# Altium PCB ApolloEcho_Dev_Kit.PcbDoc (continued)
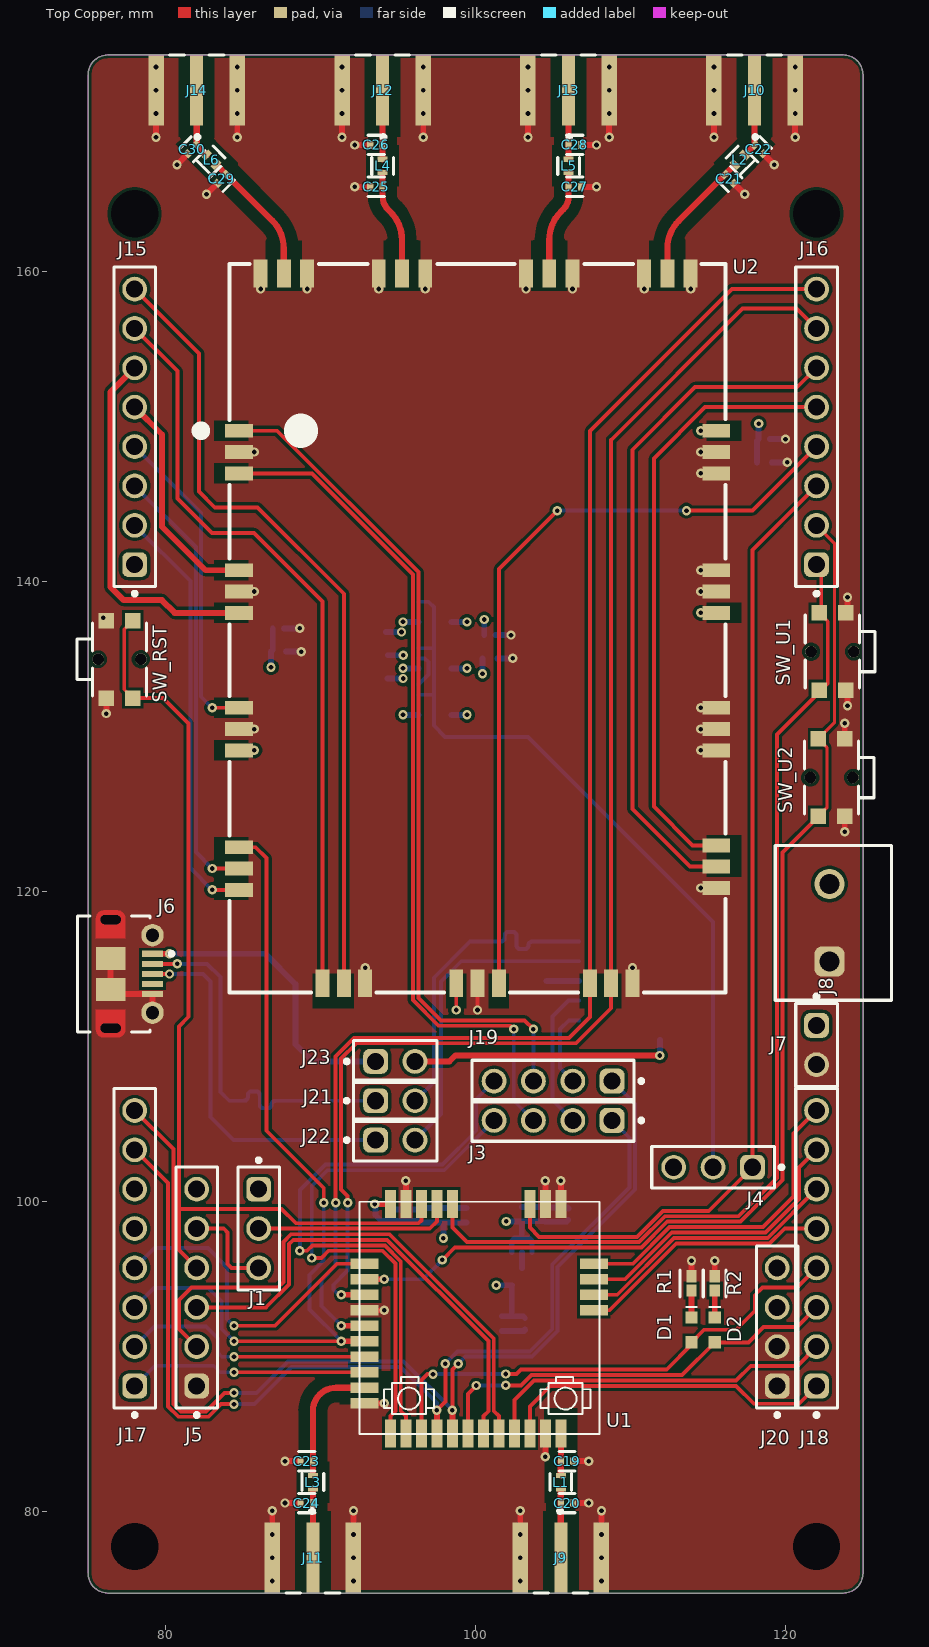
[diagram p0: Top Copper view]
## Footprints (in the part's own frame and the unit in brackets; to place one, negate y for a bottom-side part, rotate by r counter-clockwise, add the part's x,y. Pads: shape width x height; smd on the part's side, far side on the other; paste and mask are expansions set on the pad) (continued)
  silkscreen extent -0.84,-0.74 0.84,0.74, body extent -0.5,-0.25 0.5,0.25, height 0.55
FP-EMPCB_SMAFSTJ_B_HT-MFG [mm]
  rect 0.85x4.56 smd paste+0 mask+0: 1(0,-7.03)
  rect 1x4.56 smd paste+0 mask+0: 2(-2.62,-7.03) 3(2.62,-7.03)
  rect 1x4.56 smd far side paste+0 mask+0: 4(-2.62,-7.03) 5(2.62,-7.03)
  silkscreen extent -1.75,-10.17 1.75,-4.75, body extent -3.32,-9.41 3.32,5.35, height 0.25
FP-GJM155-0_05-MFG [mm]
  rect 0.4x0.5 smd paste+0 mask+0: 1(-0.4,0) 2(0.4,0)
  silkscreen extent -0.53,-0.63 0.53,0.63, body extent -0.7,-0.38 0.7,0.38, height 0.25
FP-LQW15AN_00-W0_6-0_1-MFG [mm]
  rect 0.35x0.65 smd paste+0 mask+0: 1(-0.425,0) 2(0.425,0)
  silkscreen extent -0.55,-0.7 0.55,0.7, body extent -0.7,-0.45 0.7,0.45, height 0.25
FP-RMCF0402-IPC_A [mm]
  rect 0.781x0.672 smd paste+0 mask+0: 1(-0.466,0) 2(0.466,0)
  silkscreen extent -0.86,-0.74 0.86,0.74, body extent -1.06,-0.54 1.06,0.54, height 0.25
RAK11720 [mm]
  rect 0.7x1.8 smd: 1(13.5,14.945) 2(12.5,14.945) 3(11.5,14.945) 4(10.5,14.945) 5(9.5,14.945) 6(8.5,14.945) 7(7.5,14.945) 8(6.5,14.945) 9(5.5,14.945) 10(4.5,14.945) 11(3.5,14.945) 12(2.5,14.945) 17(2.5,0.145) 18(3.5,0.145) 19(4.5,0.145) 20(9.5,0.145) 21(10.5,0.145) 22(11.5,0.145) 23(12.5,0.145) 24(13.5,0.145)
  rect 1.8x0.7 smd: 13(0.365,7) 14(0.365,6) 15(0.365,5) 16(0.365,4) 25(15.165,4) 26(15.165,5) 27(15.165,6) 28(15.165,7) 29(15.165,8) 30(15.165,9) 31(15.165,10) 32(15.165,11) 33(15.165,12) 34(15.165,13)
  silkscreen extent 0,0 15.5,15, body extent 0,0 15.5,15, height 3.5
SOT323-5L_STM [mm]
  rect 0.777x0.35 smd paste+0 mask+0: 1(-1.062,0.65) 2(-1.062,0) 3(-1.062,-0.65) 4(1.062,-0.65) 5(1.062,0.65)
  silkscreen extent -0.8,-1.22 0.8,1.22, body extent -1.45,-1.09 1.45,1.09, height 1.09
USB-MICRO-B_V [mm] "USB, MICRO B, Body 7.491x4.695 mm, Pitch 0.65 mm"
  rect 0.4x1.35 smd: 1(-1.3,1.35) 2(-0.65,1.35) 3(0,1.35) 4(0.65,1.35) 5(1.3,1.35)
  round 1.45 hole 0.85: 6(-2.5,1.35) 7(2.5,1.35)
  rrect50% 0x0 hole 0.6 slot 1.3 at 90 deg: 8(-3.5,-1.35) 11(3.5,-1.35)
  rect 1.5x1.9 smd: 9(-1,-1.35) 10(1,-1.35)
  Top Copper circle w0.5: c-3.6,-1.8 r0.25
  Top Copper circle w0.5: c-3.6,-0.9 r0.25
  Top Copper circle w0.5: c3.6,-1.8 r0.25
  Top Copper circle w0.5: c3.6,-0.9 r0.25
  Top Copper region: -3.6,-1.8 -3.6,-0.9 -4.1,-0.9 -4.1,-1.8
  Top Copper region: 3.6,-0.9 3.6,-1.8 4.1,-1.8 4.1,-0.9
  Top Copper region: 2.3,-0.4 2.3,-2.3 3.6,-2.3 3.6,-0.4
  Top Copper region: -2.3,-2.3 -2.3,-0.4 -3.6,-0.4 -3.6,-2.3
  silkscreen extent -3.75,-3.5 3.75,2.7, body extent -4.1,-3.9 4.1,1.5, height 2.67
WL-SMCW_0603_150060xx75000 [mm] "SMD Mono-color Chip LED, body 1.60 x 0.80 mm"
  rect 0.8x0.8 smd: 1(-0.8,0) 2(0.8,0)
  silkscreen extent -1.55,-0.4 -1.4,0.4, body extent -0.8,-0.4 0.8,0.4, height 0.7

## Part data
C1 C2 C5 C6 C9 C12 C14 C17 C31: library part CMP-2008-02878-3, "General Purpose Ceramic Capacitor, 0402, 100nF, 10%, X5R, 15%, 10V", Capacitance=100nF, Case Code (Imperial)=0402, Case Code (Metric)=1005, Dielectric=X5R, Insulation Resistance=100GR, Max Operating Temperature=85°C, Min Operating Temperature=-55°C, Package Quantity=1, Tolerance=10%, Voltage=10V, Case/Package=0402, Construction=Flat, Contact Plating=Tin, Depth=0.5mm, Dissipation Factor=5%, Height=0.56mm, Lead Free="Lead Free", Length=1mm, Mount="Surface Mount", Packaging="Tape and Reel", Radiation Hardening=No, REACH SVHC="No SVHC", RoHS Compliant=Yes, Series=-, Termination=SMD/SMT, Thickness=0.022inch, Voltage Rating=10V, Voltage Rating (DC)=10V, Width=0.02inch
C3 C4 C7 C8 C10 C13 C15 C18: library part CMP-14477-000104-2, "None", Capacitance=1uF, Case Code (Imperial)=0402, Case Code (Metric)=1005, Dielectric=X5R, Max Operating Temperature=85°C, Min Operating Temperature=-55°C, Package Quantity=1, Tolerance=10%, Voltage Rating=16V, Case/Package=0402, Construction=Flat, Depth=0.5mm, Halogen Free="Halogen Free", Height=0.5mm, Length=1mm, Mount="Surface Mount", Number of Pins=2, Packaging="Tape and Reel", Radiation Hardening=No, RoHS Compliant=Yes, Series=M, Termination=SMD/SMT, Thickness=0.022inch, Voltage Rating (DC)=16V, Width=0.02inch
C11 C16: library part CMP-08246-002709-1, "Multilayer Ceramic Capacitors 2.2μF ±10% 10V X5R SMD 0402", Capacitance=2.2uF, Case Code (Imperial)=0402, Case Code (Metric)=1005, Dielectric=X5R, Dielectric Material=Ceramic, Max Operating Temperature=85°C, Min Operating Temperature=-55°C, Package Quantity=1, Tolerance=10%, Voltage=10V, Case/Package=0402, Construction=Flat, Depth=0.5mm, Height=0.5mm, Lead Free="Lead Free", Length=1mm, Mount="Surface Mount", Number of Pins=2, Packaging="Tape and Reel", Radiation Hardening=No, REACH SVHC="No SVHC", Resistor Type=Ceramic, RoHS Compliant=Yes, Series=C, Termination=SMD/SMT, Thickness=0.022inch, Voltage Rating=10V, Voltage Rating (DC)=10V, Weight=2.3E-05oz, Width=0.02inch
C19 C20 C21 C22 C23 C24 C25 C26 C27 C28 C29 C30: library part CMP-2008-03860-2, "Multi-Layer Ceramic Capacitor 5pF C0G  ±0.25pF 0402 Paper T/R", Capacitance=5pF, Case Code (Imperial)=0402, Case Code (Metric)=1005, Dielectric=C0G, Max Operating Temperature=125°C, Min Operating Temperature=-55°C, Package Quantity=1, Voltage Rating=50V, Case/Package=0402, Depth=0.5mm, Height=0.5mm, Lead Free="Lead Free", Length=1mm, Mount="Surface Mount", Packaging="Tape and Reel", Radiation Hardening=No, Termination=SMD/SMT, Thickness=0.022inch, Voltage Rating (DC)=50V, Width=0.02inch
D1: library part CMP-1426-00006-7, "WURTH ELEKTRONIK - 150060VS75000 - LED, Green, SMD, 0603, 30 mA, 2 V, 570 nm", Case Code (Imperial)=0603, Case Code (Metric)=1608, Color=Green, Forward Current=100mA, Forward Voltage=2V, Max Junction Temperature (Tj)=95°C, Max Operating Temperature=85°C, Max Reverse Voltage (DC)=5V, Min Operating Temperature=-40°C, Power Dissipation=72mW, Test Current=20mA, Case/Package=0603, Dominant Wavelength=570nm, Height=700µm, Length=1.6mm, Lens Style="Clear, Rectangular", Luminous Intensity=40mcd, Mount="Surface Mount", Number of Pins=2, Packaging="Tape and Reel", Peak Wavelength=572nm, REACH SVHC=Unknown, Reverse Voltage=5V, RoHS=Compliant, Viewing Angle=140°, Wavelength=570nm, Width=800µm
D2: library part CMP-1426-00001-4, "LED Low-Power Uni-Color Red 630nm 2V 2-Pin Chip 0603(1608Metric) T/R", Case Code (Imperial)=0603, Case Code (Metric)=1608, Color=Red, Forward Current=100mA, Forward Voltage=2V, Max Junction Temperature (Tj)=95°C, Max Operating Temperature=85°C, Max Reverse Voltage (DC)=5V, Min Operating Temperature=-40°C, Power Dissipation=72mW, Test Current=20mA, Case/Package=0603, Dominant Wavelength=625nm, Height=700µm, Length=1.6mm, Lens Style="Clear, Rectangular", Luminous Intensity=250mcd, Mount="Surface Mount", Packaging="Tape and Reel", Peak Wavelength=630nm, REACH SVHC=Unknown, Reverse Voltage=5V, RoHS=Compliant, Viewing Angle=140°, Wavelength=625nm, Width=800µm
J1 J4: library part CMP-1502-01062-3, Color=Black, Contact Resistance=20mΩ, Current Rating=3A, Max Operating Temperature=105°C, Min Operating Temperature=-40°C, Operating Supply Voltage=250V, Connector Type="Male Pin", Contact Material=Copper, Contact Mating Length=5.9944mm, Contact Plating=Gold, Gender=Male, Height=8.94mm, Lead Free="Lead Free", Lead Pitch=2.54mm, Mount="Through Hole", NexarPartId=32855521, Number of Contacts=3, Number of Pins=3, Number of Positions=3, Number of Rows=1, Orientation=Vertical, Packaging=Bulk, Pitch=2.54mm, REACH SVHC=Unknown, RoHS=Compliant, Termination=Solder, Voltage Rating=250V
J3 J19 J20: library part CMP-1502-01064-3, Color=Black, Contact Resistance=20mΩ, Current Rating=3A, Max Operating Temperature=105°C, Min Operating Temperature=-40°C, Operating Supply Voltage=250V, Connector Type="Male Pin", Contact Material=Copper, Contact Mating Length=5.9944mm, Contact Plating=Gold, Gender=Male, Height=8.89mm, Lead Free="Lead Free", Lead Pitch=2.54mm, Mount="Through Hole", NexarPartId=32855522, Number of Contacts=4, Number of Pins=4, Number of Positions=4, Number of Rows=1, Orientation=Vertical, Packaging=Bulk, Pitch=2.54mm, REACH SVHC=Unknown, RoHS=Compliant, Termination=Solder, Voltage Rating=250V
J5: library part CMP-1502-01070-3, Color=Black, Contact Resistance=20mΩ, Current Rating=3A, Max Operating Temperature=105°C, Min Operating Temperature=-40°C, Operating Supply Voltage=250V, Connector Type="Male Pin", Contact Gender=Male, Contact Material=Copper, Contact Mating Length=5.9944mm, Contact Plating=Gold, Gender=Male, Height=8.89mm, Housing Material=PBT, Lead Free="Lead Free", Lead Pitch=2.54mm, Mount="Through Hole", NexarPartId=20084590, Number of Contacts=6, Number of Pins=6, Number of Positions=6, Number of Rows=1, Orientation=Vertical, Packaging=Bulk, Pitch=2.54mm, REACH SVHC=Unknown, RoHS=Compliant, Termination="Through Hole", Voltage Rating=250V
J6: library part CMP-2000-05827-1, "Micro-USB B Receptacle, Right Angle, Bottom Mount, Surface Mount, with Solder Tabs, -30 to 85 degC, 5-Pin USB, RoHS, Tape and Reel", Manufacturer=Molex, Package Description="5-Leads USB, Micro B, Body 7.5 x 5 mm, Pitch 0.65 mm", Package Reference=MICRO-B, Package Version="Rev. F, 12/2012", Standard Package=1, Voltage - Max=30V, 3D Model=105017-0001.stp, Catalog Drawings=1050170001, Category=Connectors,Interconnects, Circuits=5, Connector Type=USB-microB, Datasheet URL=http://www.molex.com/elqNow/elqRedir.htm?ref=http://www.molex.com/webdocs/datasheets/pdf/en-us/1050170001_IO_CONNECTORS.pdf, Datasheet Version=03/2016, Family=USB,DVI,HDMIConnectors, Featured Product=Micro-USBConnectorsUSBConnectors, Features=Shielded,SolderRetention, Gender=Receptacle, Ingress Protection=-, Manufacturer URL=http://www.molex.com/, Mating Products=WM17145-ND-CABLEMICROUSBBTOSTDA1.0MWM17147-ND-CABLEMICROUSBBTOSTDA2.0MWM17146-ND-CABLEMICROUSBBTOSTDA1.5M, Mounting Technology=SurfaceMount, Mounting Type=BoardCutout,SurfaceMount,RightAngle, Number of Contacts=5, Online Catalog=Molex-MicroUSB, Other Names=WM1399DKR, Package URL=http://www.molex.com/pdm_docs/sd/1050170001_sd.pdf, Packaging=Digi-Reel®, PCN Assembly/Origin=ResinSupplier21/Oct/2015, RoHS Information=1050170001CertofCompliance, Series=-, Specifications=-
J7: library part CMP-1502-03324-2, Current Rating=16A, Max Operating Temperature=120°C, Min Operating Temperature=-30°C, Voltage Rating=300V, Contact Material="Nickel, Tin", Height=11.6mm, Lead Pitch=5mm, NexarPartId=78871135, Number of Contacts=2, Number of Pins=2, Number of Rows=1, Packaging=Box, RoHS=Non-Compliant
J8 J21 J22 J23: library part CMP-1712-00002-6, Color=Black, Contact Resistance=20mΩ, Current Rating=3A, Max Operating Temperature=125°C, Min Operating Temperature=-40°C, Operating Supply Voltage=250V, Connector Type="Male Pin", Contact Gender=Male, Contact Material=Copper, Contact Mating Length=5.9944mm, Contact Plating=Gold, Gender=Male, Height=8.94mm, Housing Material=PBT, Lead Free="Lead Free", Lead Pitch=2.54mm, Mount="Through Hole", NexarPartId=20081794, Number of Contacts=2, Number of Pins=2, Number of Positions=2, Number of Rows=1, Orientation=Vertical, Packaging=Bulk, Pitch=2.54mm, REACH SVHC="No SVHC", RoHS=Compliant, Termination="Through Hole", Voltage Rating=250V
J9 J10 J11 J12 J13 J14: library part CMP-111093-000001-1, "CONN SMA JACK STR 50OHM EDGE MNT", Frequency=12.4GHz, Manufacturer="Taoglas Limited", Package=0, Temperature="-40°C to +85°C", Temperature Range High=+85°C, Temperature Range Low=-40°C, Voltage Rating=335V, Automotive=No, Category=Conn, ComponentLink2Description=Datasheet, ComponentLink2URL=https://cdn.taoglas.com/datasheets/EMPCB.SMAFSTJ.B.HT.pdf, Conn Orientation=Horizontal, Contact Material=Gold, Device Class L1=Connectors, Device Class L2="RF / Coaxial Connectors", Device Class L3=unset, Digikey Description="CONN SMA JACK STR 50OHM EDGE MNT", Impedance=50Ω, Is Female=yes, Lead Free=Yes, Manufacturer Part Number=EMPCB.SMAFSTJ.B.HT, Mouser Description="RF Connectors / Coaxial Connectors SMA Straight Edge Mount PCB Jack-Gold", Number of Contacts=1, Octopart=https://octopart.com/empcb.smafstj.b.ht-taoglas-24204431, Pitch=2.62mm, RoHS=TRUE
J15 J16 J17 J18: library part CMP-1502-01076-3, Color=Black, Contact Resistance=20mΩ, Current Rating=3A, Max Operating Temperature=105°C, Min Operating Temperature=-40°C, Operating Supply Voltage=250V, Connector Type="Male Pin", Contact Material=Copper, Contact Mating Length=5.9944mm, Contact Plating=Gold, Gender=Male, Height=8.54mm, Lead Pitch=2.54mm, Mount="Through Hole", NexarPartId=32855533, Number of Contacts=8, Number of Pins=8, Number of Positions=8, Number of Rows=1, Orientation=Vertical, Packaging=Bulk, Pitch=2.54mm, REACH SVHC=Unknown, RoHS=Compliant, Termination=Solder, Voltage Rating=250V
L1 L2 L3 L4 L5 L6: library part CMP-06042-011289-1, "Wire Wound RF Inductor 2.9nH ±0.5nH 750mA 0.07Ω 0402 (1005)", Case Code (Imperial)=0402, Case Code (Metric)=1005, Current Rating=750mA, DC Resistance (DCR)=70mR, Inductance=2.9nH, Max Operating Temperature=125°C, Min Operating Temperature=-55°C, Package Quantity=1, Resistor Type=Wirewound, Self Resonant Frequency=15GHz, Test Frequency=100MHz, Case/Package=0402, Core Material=Non-Magnetic, DC Current=750mA, Depth=0.7mm, Height=0.5mm, Height - Seated (Max)=0.024inch, Length=1mm, Max DC Current=750mA, Military Standard=Not, Mount="Surface Mount", Packaging="Tape and Reel", Q Factor=20, Radiation Hardening=No, Shielding=Unshielded, Termination=SMD/SMT, Weight=2.8E-05oz, Width=0.02inch
R1 R2: library part CMP-26527-000026-1, "1kΩ ±1% 0.063W 0402 Thick Film Chip Resistor AEC-Q200 compliant", Case Code (Imperial)=0402, Case Code (Metric)=1005, Max Operating Temperature=155°C, Max Power Dissipation=63mW, Min Operating Temperature=-55°C, Resistance=1kR, Resistor Type="Thick Film", Temperature Coefficient=100ppm/°C, Tolerance=1%, Case/Package=0402, Construction=Rectangular, Contact Plating=Tin, Depth=0.5mm, Features="Automotive AEC-Q200", Height=0.016inch, Lead Free="Lead Free", Length=1mm, Military Standard=Not, Mount="Surface Mount", Number of Terminations=2, Packaging="Tape and Reel", Power Rating=63mW, Radiation Hardening=No, RoHS Compliant=Yes, Series=RMCF, Size Code=0402, Width=0.02inch
SW_RST SW_U1 SW_U2: library part CMP-1464-00001-2, Contact Current Rating=50mA, Contact Resistance=100mΩ, Insulation Resistance=100MΩ, Max Operating Temperature=85°C, Min Operating Temperature=-40°C, Operating Force=220N, Voltage Rating=12V, Contact Plating=Silver, Current Rating=50mA, Height=1.65mm, NexarPartId=22866045, Packaging="Tape and Reel", RoHS=Compliant, Width=4.7mm
U1: "RAK11720 Ambiq Apollo3 Blue SX1262 LoRa Bluetooth Module for LoRaWAN", Package=Package, Availability="Not in stock", Check_prices=https://www.snapeda.com/parts/RAK3172/Shenzhen+RAKwireless+Technology+Co.%252CLtd./view-part/?ref=eda, MF="Shenzhen RAKwireless Technology Co.,Ltd.", MP=RAK3172, Price=None, SnapEDA_Link=https://www.snapeda.com/parts/RAK3172/Shenzhen+RAKwireless+Technology+Co.%252CLtd./view-part/?ref=snap
U2: library part EM2050, "Echostar Mobile IOT SAT Module - Basic version", Manufacturer="Echostar Mobile Ltd", Package="Module SMD 47x32mm", Manufacturer P/N=EM2050, MSL=3, Release=1.0, Release date=01/08/2022, RoHS Compliant=Yes, VCCPA=3.3V, VCCRF=3.3V
U3 U4 U5 U6: "No Description Available", Mfr_Name=STMicroelectronics, Copyright="Copyright (C) 2023 Ultra Librarian. All rights reserved.", Manufacturer_Part_Number=STLQ020C33R, RefDes=RefDes, Type=DEV
U7: "USB to Serial CH340 IC"

## Free pads (board coordinates)
  round 0 hole 3.05: 3(122,77.75) 3(122,163.75) 4(78,77.75) 4(78,163.75)

## Via types
v1: diameter 0.6, hole 0.3, Top Copper to Bottom Copper, tented both sides, 158 vias

## Nets (pads, with @x,y where several pads share a name; then routed paths per layer and width w, separated by ;. In a path a pad name is that pad's centre, name@x,y a point inside that pad or via, vN(x,y) a via of type N, cw(c..) or ccw(c..) an arc to the next point about the centre after c; other vN are vias at no path point)
BTN_USER_1: J16.1 SW_U1.A1 SW_U1.A2 U1.20 | length 65.8
  Top Copper w0.203: J16.1 122.3,140.81 SW_U1.A2@122.3,138 ; SW_U1.A2 122.722,137.45 122.722,133.422 SW_U1.A1@122.3,133
  Top Copper w0.254: U1.20 98.5,98.336 99.441,97.394 110.552,97.394 112.221,99.063 116.961,99.063 119.443,101.546 119.443,130.143 SW_U1.A1@122.3,133
BTN_USER_2: J16.2 SW_U2.A1 SW_U2.A2 U1.26 | length 74.2
  Top Copper w0.203: J16.2 123.149,142.501 123.149,130.903 SW_U2.A2 122.668,129.322 122.668,125.422 SW_U2.A1
  Top Copper w0.254: v1(97.854,96.246) 98.652,97.044 110.697,97.044 112.366,98.713 117.106,98.713 119.794,101.4 119.794,122.548 SW_U2.A1
  Top Copper w0.381: U1.26 v1(94.104,95)
  Bottom Copper w0.254: v1(94.104,95) 96.608,95 v1(97.854,96.246)
EM_2G_CE: J15.5 U2.P4 | length 14.6
  Top Copper w0.381: J15.5 79.765,149.505 79.765,143.555 82.57,140.75 U2.P4
EM_CTS: J16.8 U1.29 U2.P19 | length 93.5
  Top Copper w0.254: v1(90.97,99.928) 90.97,109.382 92.166,110.578 106.031,110.578 107.375,111.922 U2.P19 107.375,149.731 116.534,158.89 J16.8
  Top Copper w0.381: v1(91.335,92) U1.29
  Bottom Copper w0.254: v1(90.97,99.928) 90.97,95.879 90.052,94.961 90.052,93.283 v1(91.335,92)
EM_LNA_GPS_ON: J15.6 U2.P6 | length 23.8
  Top Copper w0.381: J15.6 76.431,152.241 76.431,139.681 77.293,138.819 79.758,138.819 80.576,138 U2.P6
EM_NRST: J17.3 U1.30 U2.P10 | length 53.8
  Top Copper w0.254: v1(84.406,91) v1(91.335,91) ; U2.P10 85.802,122.875 86.506,122.171 86.506,104.583 90.199,100.891 v1(90.199,99.928)
  Top Copper w0.381: v1(91.335,91) U1.30
  Bottom Copper w0.254: J17.3 79.241,94.431 82.746,94.431 83.62,93.558 83.62,91.786 v1(84.406,91) ; v1(90.199,99.928) 90.199,96.198 89.281,95.281 89.281,93.054 v1(91.335,91)
EM_P12: J15.2 U2.P12 | length 27.3
  Top Copper w0.254: v1(83,120.125) U2.P12
  Bottom Copper w0.254: J15.2 81.596,140.054 81.596,121.529 v1(83,120.125)
EM_P13: J15.7 U2.P13 | length 48.9
  Top Copper w0.254: J15.7 80.754,153.596 80.754,145.387 82.982,143.158 85.693,143.158 90.125,138.726 U2.P13
EM_P14: J15.8 U2.P14 | length 52
  Top Copper w0.254: J15.8 82.148,154.742 82.148,145.818 83.169,144.797 85.935,144.797 91.5,139.232 U2.P14
EM_P18: J16.4 U2.P18 | length 50.5
  Top Copper w0.254: U2.P18 101.5,140.823 v1(105.27,144.593) ; v1(113.605,144.593) 117.863,144.593 J16.4
  Bottom Copper w0.254: v1(105.27,144.593) v1(113.605,144.593)
EM_PH3: J15.3 U2.P11 | length 28.5
  Top Copper w0.254: v1(83,121.5) U2.P11
  Bottom Copper w0.254: J15.3 81.945,142.245 81.945,122.555 v1(83,121.5)
EM_PWR_EN: J4.1 J16.3 U1.19 | length 63.7
  Top Copper w0.254: U1.19 103.5,98.336 104.097,97.738 110.41,97.738 112.078,99.407 115.045,99.407 J4.1 117.863,142.053 J16.3
EM_RF_GPS: C27.1 L5.1 U2.P38 | length 7.8
  Top Copper w0.4: U2.P38 104.75,162.073 cw(c107.29,162.073) 105.494,163.869 105.655,164.03 ccw(c104.822,164.863) 106,164.863 C27.1 ; C27.1 L5.1 C27.1
EM_RF_LORA_SBAND_RX: C25.1 L4.1 U2.P41 | length 6.9
  Top Copper w0.4: L4.1 C25.1 94,164.863 ccw(c95.178,164.863) 94.345,164.03 94.506,163.869 cw(c92.71,162.073) 95.25,162.073 U2.P41
EM_RF_LORA_SBAND_TX: C21.1 L2.1 U2.P35 | length 8.7
  Top Copper w0.4: U2.P35 112.375,161.513 cw(c114.915,161.513) 113.119,163.309 C21.1 L2.1
EM_RF_LORA_SUBGHZ: C29.1 L6.1 U2.P44 | length 8.7
  Top Copper w0.4: L6.1 C29.1 86.881,163.309 cw(c85.085,161.513) 87.625,161.513 U2.P44
EM_RTS: J16.7 U1.27 U2.P20 | length 90.3
  Top Copper w0.254: v1(91.741,99.928) 91.741,100.357 91.321,100.777 91.321,109.237 92.311,110.227 106.468,110.227 108.75,112.509 U2.P20 108.75,149.162 117.224,157.636 120.714,157.636 J16.7
  Top Copper w0.381: v1(91.335,94) U1.27
  Bottom Copper w0.254: v1(91.335,94) 91.144,94 90.823,94.32 90.823,94.642 91.741,95.56 v1(91.741,99.928)
EM_SCL: J16.5 U2.P24 | length 39.4
  Top Copper w0.254: U2.P24 114.001,123 111.5,125.501 111.5,127.698 111.5,147.955 114.815,151.27 J16.5
EM_SDA: J16.6 U2.P23 | length 44.2
  Top Copper w0.254: U2.P23 113.836,121.625 110.125,125.336 110.125,132.08 110.125,148.524 114.164,152.564 120.754,152.564 J16.6
EM_SW_ON: J15.4 U2.P7 | length 20.7
  Top Copper w0.254: v1(83,131.875) U2.P7
  Bottom Copper w0.254: J15.4 82.29,144.44 82.29,132.585 v1(83,131.875)
EM_UART_RXD: J19.3 U2.P1 | length 54.4
  Top Copper w0.254: U2.P1 87.186,149.75 96.311,140.625 96.311,113.155 97.762,111.705 103.167,111.705 v1(103.73,111.142)
  Bottom Copper w0.254: J19.3@103.729,107.788 103.729,109.291 v1(103.73,111.142)
EM_UART_TXD: J3.3 U2.P3 | length 55.1
  Top Copper w0.254: U2.P3 89.432,147 95.95,140.482 95.95,113.008 97.6,111.357 102.245,111.357 v1(102.46,111.142)
  Bottom Copper w0.254: v1(102.46,111.142) 102.46,106.517 J3.3
GND: C1.2 C2.2 C3.2 C4.2 C5.2 C6.2 C7.2 C8.2 C9.2 C10.2 C11.2 C12.2 C13.2 C14.2 C15.2 C16.2 C17.2 C18.2 C19.2 C20.2 C21.2 C22.2 C23.2 C24.2 C25.2 C26.2 C27.2 C28.2 C29.2 C30.2 C31.2 J5.1 J6.5 J6.6 J6.7 J6.8 J6.9 J6.10 J6.11 J7.1 J8.2 J9.2 J9.3 J9.4 J9.5 J10.2 J10.3 J10.4 J10.5 J11.2 J11.3 J11.4 J11.5 J12.2 J12.3 J12.4 J12.5 J13.2 J13.3 J13.4 J13.5 J14.2 J14.3 J14.4 J14.5 J20.1 J20.2 pad.3@122,77.75 pad.4@78,77.75 R1.1 R2.1 SW_RST.B1 SW_RST.B2 SW_U1.B1 SW_U1.B2 SW_U2.B1 SW_U2.B2 U1.11 U1.17 U1.18 U1.23 U1.28 U1.34 U2.P2 U2.P5 U2.P8 U2.P15 U2.P17 U2.P21 U2.P22 U2.P25 U2.P26 U2.P27 U2.P29 U2.P30 U2.P31 U2.P32 U2.P34 U2.P36 U2.P37 U2.P39 U2.P40 U2.P42 U2.P43 U2.P45 U3.2 U4.2 U5.2 U6.2 U7.1 | length 149.8
  Top Copper w0.254: v1(100.125,112.375) U2.P17
  Top Copper w0.381: v1(75.983,137.69) SW_RST.B1 ; v1(76.175,131.5) SW_RST.B2 ; J6.9 J6.10 76.75,113.4 J6.5 J6.7 ; v1(79.38,168.682) v1(79.38,171.72) ; v1(80.727,166.917) C30.2 ; v1(82.636,165.008) C29.2 ; v1(84.62,168.682) v1(84.62,171.72) ; U2.P8 v1(85.725,130.5) ; U2.P5 v1(85.725,139.375) ; U2.P2 v1(85.725,148.375) ; v1(86.125,158.9) U2.P45 ; v1(86.88,77.03) v1(86.88,80.068) ; v1(87.7,80.56) C24.2 ; v1(87.7,83.26) C23.2 ; v1(89.125,158.9) U2.P43 ; v1(91.38,168.682) v1(91.38,171.72) ; v1(92.12,77.03) v1(92.12,80.068) ; v1(92.2,165.49) C25.2 ; v1(92.2,168.19) C26.2 ; U1.34 v1(94.104,87) ; U1.28 v1(94.104,93) ; U2.P15 v1(92.875,115.1) ; v1(93.75,158.9) U2.P42 ; U1.23 v1(95.5,101.355) ; v1(96.62,168.682) v1(96.62,171.72) ; v1(96.75,158.9) U2.P40 ; v1(102.88,77.03) v1(102.88,80.068) ; v1(103.25,158.9) U2.P39 ; v1(103.38,168.682) v1(103.38,171.72) ; v1(104.5,83.555) U1.11 ; U1.18 v1(104.5,101.355) ; U1.17 v1(105.5,101.355) ; v1(106.25,158.9) U2.P37 ; C20.2 v1(107.3,80.56) ; C19.2 v1(107.3,83.26) ; C27.2 v1(107.8,165.49) ; C28.2 v1(107.8,168.19) ; v1(108.12,77.03) v1(108.12,80.068) ; v1(108.62,168.682) v1(108.62,171.72) ; U2.P21 v1(110.125,115.1) ; v1(110.875,158.9) U2.P36 ; v1(113.875,158.9) U2.P34 ; R1.1 v1(113.933,96.195) ; v1(114.525,120.25) U2.P22 ; v1(114.525,129.125) U2.P25 ; v1(114.525,130.5) U2.P26 ; v1(114.525,131.875) U2.P27 ; v1(114.525,139.375) U2.P29 ; v1(114.525,140.75) U2.P30 ; v1(114.525,147) U2.P31 ; v1(114.525,148.375) U2.P32 ; v1(115.38,168.682) v1(115.38,171.72) ; R2.1 v1(115.433,96.195) ; C21.2 v1(117.364,165.008) ; C22.2 v1(119.273,166.917) ; v1(120.62,168.682) v1(120.62,171.72) ; v1(123.818,123.872) SW_U2.B1 ; SW_U2.B2 v1(123.818,130.872) ; v1(124,132) SW_U1.B1@124,133 ; SW_U1.B2@124,138 v1(124,139)
  Bottom Copper w0.254: U5.2 96.712,135.066 96.963,134.815 96.963,134.027 96.324,133.388
  Bottom Copper w0.381: v1(79.38,168.682) v1(79.38,171.72) ; v1(84.62,168.682) v1(84.62,171.72) ; v1(86.88,77.03) v1(86.88,80.068) ; C5.2 v1(88.644,136.998) ; C7.2 v1(88.757,135.498) ; v1(91.38,168.682) v1(91.38,171.72) ; v1(92.12,77.03) v1(92.12,80.068) ; C2.2 C1.2 96.422,99.529 96.5,99.607 C4.2 C3.2 ; v1(96.62,168.682) v1(96.62,171.72) ; C17.2 v1(102.286,136.566) ; C18.2 v1(102.399,135.066) ; C13.2 103.108,91.652 103.186,91.731 C12.2 ; v1(102.88,77.03) v1(102.88,80.068) ; 102.986,95.732 U3.2 ; C11.2 102.992,99.671 104.48,99.671 C10.2 ; v1(103.38,168.682) v1(103.38,171.72) ; v1@104.486,101.355 C10.2 ; C9.2 105.93,99.621 104.543,99.621 C10.2 ; v1(108.12,77.03) v1(108.12,80.068) ; v1(108.62,168.682) v1(108.62,171.72) ; v1(115.38,168.682) v1(115.38,171.72) ; C6.2 v1(119.996,149.212) ; C8.2 v1(120.109,147.712) ; v1(120.62,168.682) v1(120.62,171.72)
  other v1: 86.88,75.53 92.12,75.53 102.88,75.53 108.12,75.53 86.88,78.53 92.12,78.53 102.88,78.53 108.12,78.53 79.38,170.22 84.62,170.22 91.38,170.22 96.62,170.22 103.38,170.22 108.62,170.22 115.38,170.22 120.62,170.22 79.38,173.22 84.62,173.22 91.38,173.22 96.62,173.22 103.38,173.22 108.62,173.22 115.38,173.22 120.62,173.22
LDO_EM_PWR_EN: J4.2 U4.3 U5.3 U6.3 | length 49.9
  Bottom Copper w0.254: U6.3 97.305,132.716 ; U5.3 97.305,135.716 ; U4.3 96.971,138.716 97.305,138.381 97.305,130.722 98.031,129.996 103.384,129.996 115.323,118.057 J4.2
LED_USER_1_G: D1.2 J18.4 U1.3 | length 32.6
  Top Copper w0.254: U1.3 96.5,88.485 96.887,88.872 v1(97.25,88.872) ; v1(101.942,88.881) 102.636,88.881 102.935,89.18 112.335,89.18 113.933,90.778 D1.2 114.745,91.741 116.813,91.741 118.012,92.94 118.012,93.965 118.506,94.459 120.729,94.459 J18.4
  Bottom Copper w0.254: v1(97.25,88.872) 101.934,88.872 v1(101.942,88.881)
LED_USER_2_R: D2.2 J18.3 U1.6 | length 27.4
  Top Copper w0.254: U1.6 99.5,87.596 v1(100.049,88.145) ; v1(101.942,88.154) 102.937,88.154 103.609,88.826 113.33,88.826 D2.2 117.595,90.929 118.581,91.915 120.725,91.915 J18.3
  Bottom Copper w0.254: v1(100.049,88.145) 100.058,88.154 v1(101.942,88.154)
NetC20_1: C20.1 J9.1 L1.2 | length 4.5
  Top Copper w0.4: J9.1 L1.2
NetC22_1: C22.1 J10.1 L2.2 | length 4.5
  Top Copper w0.4: L2.2 C22.1 J10.1
NetC24_1: C24.1 J11.1 L3.2 | length 4.5
  Top Copper w0.4: J11.1 C24.1 L3.2
NetC26_1: C26.1 J12.1 L4.2 | length 4.5
  Top Copper w0.4: L4.2 C26.1 J12.1
NetC28_1: C28.1 J13.1 L5.2 | length 4.5
  Top Copper w0.4: L5.2 C28.1 J13.1
NetC30_1: C30.1 J14.1 L6.2 | length 4.5
  Top Copper w0.4: J14.1 C30.1 L6.2
NetC31_1: C31.1 U7.4 | length 2.1
  Bottom Copper w0.381: C31.1 U7.4
NetD1_1: D1.1 R1.2 | length 1.7
  Top Copper w0.381: D1.1 R1.2
NetD2_1: D2.1 R2.2 | length 1.7
  Top Copper w0.381: D2.1 R2.2
NetJ1_2: J1.2 U1.21 | length 12.8
  Top Copper w0.254: J1.2 97.042,98.27 97.5,98.728 U1.21
RAK_BLE_RF_OUT: C23.1 L3.1 U1.33 | length 8.4
  Top Copper w0.4: L3.1 C23.1 89.5,86.5 cw(c91,86.5) 91,88 U1.33
RAK_I2C_SCL: J18.2 U1.9 | length 23.1
  Top Copper w0.254: U1.9 102.5,87.208 103.764,88.472 116.813,88.472 117.754,89.414 120.764,89.414 J18.2
RAK_I2C_SDA: J18.1 U1.10 | length 21.7
  Top Copper w0.254: U1.10 103.5,86.794 104.816,88.11 116.813,88.11 117.957,86.966 120.856,86.966 J18.1
RAK_PA2: J19.4 U1.2 | length 38.9
  Top Copper w0.254: v1(88.657,96.837) 89.123,96.837 89.47,97.183 94.145,97.183 95.17,96.158 95.17,86.491 95.5,86.162 U1.2
  Bottom Copper w0.254: v1(88.657,96.837) 88.657,100.749 90.31,102.402 97.859,102.402 100.039,104.582 100.039,106.636 J19.4
RAK_PA3: J3.4 U1.1 | length 35.2
  Top Copper w0.254: v1(89.428,96.372) 90.043,96.372 90.51,96.839 93.996,96.839 94.821,96.013 94.821,86.483 94.5,86.162 U1.1
  Bottom Copper w0.254: v1(89.428,96.372) 89.428,101.01 90.45,102.033 97.976,102.033 J3.4
RAK_PA4: J18.8 U1.16 | length 20.8
  Top Copper w0.254: U1.16 110.159,96 112.523,98.363 118.531,98.363 120.511,100.343 120.511,104.401 J18.8
RAK_PA5: J18.7 U1.15 | length 19
  Top Copper w0.254: U1.15 109.649,95 112.655,98.006 118.694,98.006 120.867,100.179 120.867,102.217 J18.7
RAK_PA6: J18.6 U1.14 | length 17.2
  Top Copper w0.254: U1.14 109.139,94 112.798,97.659 118.849,97.659 J18.6
RAK_PA7: J18.5 U1.13 | length 16.5
  Top Copper w0.254: U1.13 108.649,93 112.945,97.296 118.974,97.296 119.948,98.27 J18.5
RAK_PA10: J17.4 U1.25 | length 21
  Top Copper w0.254: v1(84.406,92) 87.053,92 91.053,96 U1.25
  Bottom Copper w0.254: J17.4 79.279,97.009 82.725,97.009 83.971,95.763 83.971,92.435 v1(84.406,92)
RAK_PB3: J17.1 U1.32 | length 15.6
  Top Copper w0.254: v1(84.406,89) U1.32
  Bottom Copper w0.254: J17.1 79.309,89.419 83.104,89.419 83.524,89 v1(84.406,89)
RAK_PB4: J17.2 U1.31 | length 16.7
  Top Copper w0.254: v1(84.406,90) U1.31
  Bottom Copper w0.254: J17.2 79.287,91.937 82.61,91.937 83.378,91.169 83.378,90.243 83.621,90 v1(84.406,90)
RAK_PB6: J3.1 J17.7 U1.4 | length 66.4
  Top Copper w0.254: J17.7 78.022,103.35 80.153,101.219 80.153,86.8 80.827,86.127 82.759,86.127 83.571,86.939 v1(84.406,86.939) ; v1(97.5,86.555) 98.048,87.103 v1(98.048,89.552)
  Top Copper w0.381: U1.4 v1(97.5,86.555)
  Bottom Copper w0.254: v1(84.406,86.939) 85.72,86.939 88.13,89.348 95.165,89.348 97.5,87.013 v1(97.5,86.555) ; v1(98.048,89.552) 98.842,90.345 103.492,90.345 104.944,91.798 104.944,95.944 109.928,100.928 109.928,104.129 J3.1
RAK_PB7: J17.8 J19.1 U1.5 | length 71.6
  Top Copper w0.254: J17.8 80.5,103.39 80.5,86.944 80.972,86.472 82.602,86.472 83.796,87.666 v1(84.406,87.666) ; v1(98.5,86.555) 98.5,89.17 v1(98.882,89.552)
  Top Copper w0.381: U1.5 v1(98.5,86.555)
  Bottom Copper w0.254: v1(84.406,87.666) 85.87,87.666 87.904,89.699 95.356,89.699 v1(98.5,86.555) ; v1(98.882,89.552) 99.331,90.002 103.634,90.002 105.288,91.655 105.288,95.802 110.272,100.785 110.272,106.325 J19.1
RAK_RESET: J5.4 SW_RST.A1 SW_RST.A2 U1.22 | length 62.8
  Top Copper w0.203: SW_RST.A2 77.325,133.05 77.325,136.95 SW_RST.A1
  Top Copper w0.254: SW_RST.A2 79.837,132.5 81.471,130.866 81.471,111.937 80.854,111.321 80.854,99.54 ; J5.4 80.854,96.876 80.854,99.54 ; U1.22 96.5,98.791 96.322,98.614 88.411,98.614 87.485,99.54 80.854,99.54
RAK_RF_OUT: C19.1 L1.1 U1.12 | length 2.7
  Top Copper w0.4: L1.1 C19.1 U1.12
RAK_SWD_SWDCK: J5.2 U1.8 | length 36.1
  Top Copper w0.254: J5.2 80.869,91.781 80.869,93.664 81.665,94.46 87.233,94.46 87.592,94.819 87.592,97.41 88.085,97.902 94.441,97.902 101.17,91.174 101.17,86.491 101.5,86.162 U1.8
RAK_SWD_SWDIO: J5.3 U1.7 | length 30.9
  Top Copper w0.254: J5.3 86.473,93.19 87.953,94.67 87.953,97.261 88.234,97.542 94.292,97.542 100.821,91.013 100.821,86.483 100.5,86.162 U1.7
RAK_SWD_SWO: J1.3 J5.5 | length 6.2
  Top Copper w0.254: J5.5 83.75,98.27 84,98.02 84,95.98 84.25,95.73 J1.3
USB_D+: J6.3 J22.1 | length 24
  Top Copper w0.254: J6.3 v1(80.25,114.7)
  Bottom Copper w0.254: v1(80.25,114.7) 82.401,114.7 82.881,114.22 82.881,105.478 84.381,103.977 J22.1
USB_D-: J6.2 J21.1 | length 24
  Top Copper w0.254: J6.2 v1(80.75,115.35)
  Bottom Copper w0.254: v1(80.75,115.35) 82.671,115.35 83.531,114.49 83.531,107.088 84.101,106.517 84.928,106.517 85.055,106.517 ccw(c85.055,106.771) 85.309,106.771 85.309,106.895 cw(c85.538,106.895) 85.538,107.124 85.842,107.124 cw(c85.842,106.895) 86.071,106.895 86.071,106.263 ccw(c86.3,106.263) 86.3,106.035 86.604,106.035 ccw(c86.604,106.263) 86.833,106.263 cw(c87.087,106.263) 87.087,106.517 J21.1
USB_IC_D+: J22.2 U7.5 | length 20.4
  Bottom Copper w0.254: J22.2 97.777,105.667 97.777,114.221 99.074,115.517 U7.5
USB_IC_D-: J21.2 U7.6 | length 20.4
  Bottom Copper w0.254: J21.2 97.307,107.737 97.307,114.453 99.641,116.787 101.5,116.787 101.627,116.787 ccw(c101.627,117.041) 101.881,117.041 101.881,117.182 cw(c102.11,117.182) 102.11,117.411 102.414,117.411 cw(c102.414,117.182) 102.643,117.182 102.643,116.533 ccw(c102.872,116.533) 102.872,116.305 103.176,116.305 ccw(c103.176,116.533) 103.405,116.533 cw(c103.659,116.533) 103.659,116.787 U7.6
USB_IC_RX: J3.2 U7.3 | length 9.4
  Bottom Copper w0.254: J3.2 104.964,106.553 104.964,111.948 105.993,112.977 U7.3
USB_IC_TX: J19.2 U7.2 | length 5.2
  Bottom Copper w0.254: J19.2 105.434,108.623 105.434,111.133 106.008,111.707 U7.2
USB_IC_VCC: J23.2 U7.16 | length 17
  Top Copper w0.381: J23.2 98.313,109.057 98.692,109.437 v1(111.888,109.437)
  Bottom Copper w0.381: v1(111.888,109.437) U7.16
V_IN: C9.1 C10.1 C11.1 C14.1 C15.1 C16.1 J4.3 J6.1 J7.2 J8.1 J20.3 J20.4 J23.1 U3.1 U3.3 U4.1 U5.1 U6.1 | length 33.6
  Top Copper w0.381: J6.1 v1(80.25,116)
  Bottom Copper w0.35: U3.1 102.336,97.464 102.524,97.652 102.986,97.652 ; U3.3 103.636,97.464 103.448,97.652 102.986,97.652 ; C9.1 105.873,98.72 C10.1 104.474,98.732 C11.1 102.986,97.652
  Bottom Copper w0.381: v1(80.25,116) 86.42,116 88.381,114.04 88.381,110.164 89.487,109.057 J23.1 ; C14.1 v1(95.218,136.766) ; C16.1 v1(95.319,133.766) ; C15.1 v1(95.331,135.266) ; v1(95.318,131.416) U6.1 ; v1(95.318,134.416) U5.1 ; v1(95.318,137.416) U4.1 ; v1(101.986,98.732) C11.1
VCC_EM2050: C5.1 C6.1 C7.1 C8.1 C17.1 C18.1 J15.1 U2.P9 U2.P16 U2.P28 U2.P33 U4.5 U5.5 U6.5 | length 14.7
  Top Copper w0.254: v1(98.75,112.375) U2.P16
  Top Copper w0.381: U2.P9 v1(85.725,129.125) ; v1(114.525,138) U2.P28 ; v1(114.525,149.75) U2.P33
  Bottom Copper w0.381: v1(86.799,134.498) C7.1 86.912,135.611 C5.1 ; U6.5 v1(99.442,131.416) ; U5.5 v1(99.442,134.416) ; U4.5 v1(99.442,137.416) ; v1(100.442,134.065) C18.1 ; C17.1 v1(100.555,137.566) ; C8.1 C6.1@118.152,149.099 ; C6.1 v1(118.265,150.212)
VCC_RAK: C1.1 C2.1 C3.1 C4.1 C12.1 C13.1 J1.1 J5.6 J17.5 J17.6 U1.24 U3.5 | length 13.4
  Top Copper w0.381: v1(93.5,99.855) U1.24
  Bottom Copper w0.35: C13.1 103.073,92.609 C12.1 ; 102.336,92.61 U3.5
  Bottom Copper w0.381: v1(93.5,99.855) 93.541,99.813 93.541,99.148 93.926,98.763 C2.1 C1.1 96.422,98.729 96.5,98.65 C4.1 ; v1(97.922,97.65) C4.1 ; C3.1 C4.1 ; v1(101.336,94.609) U3.5
pads on no net: J6.4 SW_RST.MH1 SW_RST.MH2 SW_U1.MH1 SW_U1.MH2 SW_U2.MH1 SW_U2.MH2 U3.4 U4.4 U5.4 U6.4 U7.7 U7.8 U7.9 U7.10 U7.11 U7.12 U7.13 U7.14 U7.15

## Polygon pours and split planes (outlines as drawn)
GND on Bottom Copper "GND_L04_P001" (solid, pour order 1): 75,76.02 ccw(c76.27,76.02) 76.27,74.75 123.73,74.75 ccw(c123.73,76.02) 125,76.02 125,172.73 ccw(c123.73,172.73) 123.73,174 76.27,174 ccw(c76.27,172.73) 75,172.73
GND on Top Copper "GND_L01_P000" (solid, pour order 0): 75,76.02 75,172.73 cw(c76.27,172.73) 76.27,174 123.73,174 cw(c123.73,172.73) 125,172.73 125,76.02 cw(c123.73,76.02) 123.73,74.75 76.27,74.75 cw(c76.27,76.02)
VCC_EM2050 on Plane Layer 2 (PWR) (split plane): 119.706,136.051 102.037,136.051 101.988,136.041 101.946,136.013 101.918,135.971 101.908,135.921 101.908,111.004 97.4,111.004 97.4,133.196 97.4,139.543 97.39,139.593 97.362,139.635 97.32,139.663 97.271,139.673 92.646,139.673 92.596,139.663 92.554,139.635 92.526,139.593 92.517,139.543 92.517,128.082 76.872,128.082 76.872,143.521 112.709,143.521 112.759,143.53 112.801,143.558 112.829,143.6 112.839,143.65 112.839,151.89 119.706,151.89
VCC_RAK on Plane Layer 2 (PWR) (split plane): 100.363,95.73 100.373,95.68 100.401,95.638 100.443,95.61 100.493,95.601 104.089,95.601 104.089,90.93 95.129,90.93 95.129,95.73 95.12,95.78 95.092,95.822 95.05,95.85 95,95.859 76.743,95.859 76.743,103.221 100.363,103.221
V_IN on Plane Layer 2 (PWR) (split plane): 123.849,173.482 123.965,173.455 124.076,173.409 124.178,173.346 124.269,173.269 124.346,173.178 124.409,173.076 124.455,172.965 124.482,172.849 124.491,172.743 124.49,172.73 124.49,76.02 124.491,76.007 124.482,75.901 124.455,75.785 124.409,75.674 124.346,75.572 124.269,75.481 124.178,75.404 124.076,75.341 123.965,75.295 123.849,75.268 123.743,75.259 123.73,75.26 76.27,75.26 76.257,75.259 76.151,75.268 76.035,75.295 75.924,75.341 75.822,75.404 75.731,75.481 75.654,75.572 75.591,75.674 75.545,75.785 75.518,75.901 75.509,76.007 75.51,76.02 75.51,172.73 75.509,172.743 75.518,172.849 75.545,172.965 75.591,173.076 75.654,173.178 75.731,173.269 75.822,173.346 75.924,173.409 76.035,173.455 76.151,173.482 76.257,173.491 76.27,173.49 123.73,173.49 123.743,173.491
GND on Plane Layer 1 (Ground) (split plane): 123.849,173.482 123.965,173.455 124.076,173.409 124.178,173.346 124.269,173.269 124.346,173.178 124.409,173.076 124.455,172.965 124.482,172.849 124.491,172.743 124.49,172.73 124.49,76.02 124.491,76.007 124.482,75.901 124.455,75.785 124.409,75.674 124.346,75.572 124.269,75.481 124.178,75.404 124.076,75.341 123.965,75.295 123.849,75.268 123.743,75.259 123.73,75.26 76.27,75.26 76.257,75.259 76.151,75.268 76.035,75.295 75.924,75.341 75.822,75.404 75.731,75.481 75.654,75.572 75.591,75.674 75.545,75.785 75.518,75.901 75.509,76.007 75.51,76.02 75.51,172.73 75.509,172.743 75.518,172.849 75.545,172.965 75.591,173.076 75.654,173.178 75.731,173.269 75.822,173.346 75.924,173.409 76.035,173.455 76.151,173.482 76.257,173.491 76.27,173.49 123.73,173.49 123.743,173.491

## Keep-outs
Keep-Out Layer:
  the board outline again, w0.025

## Other copper
Plane Layer 2 (PWR) (plane layer: these items are gaps in the copper):
  lines w0.254: 76.613,95.73 76.613,103.35 78,103.35 100.493,103.35 100.493,95.73 104.218,95.73 104.218,90.8 95,90.8 95,95.73 76.613,95.73 ; 76.743,127.953 76.743,143.65 112.709,143.65 112.709,152.02 119.835,152.02 119.835,135.921 102.037,135.921 102.037,110.875 97.271,110.875 97.271,133.196 97.271,139.543 92.646,139.543 92.646,127.953 76.743,127.953

## Silkscreen, mask and mechanical layers (free items; w line width, h text height)
Bottom Overlay:
  text "LoRa" at 84.5,167.235 h2.5
  text "SBAND RX" at 99.576,167.225 h2.5
  text "GPS" at 108.047,167.225 h2.5
  text "SBAND TX" at 123.516,167.225 h2.5
  text "IN+" at 121.082,119.727 h2.5
  text "IN-" at 121.082,114.727 h2.5
  text "BLE" at 91.422,80.229 h2.5
  text "LoRa" at 108,80.235 h2.5
  text "JLCJLCJLCJLC" at 118.961,76.548 h1.5
Bottom Mask:
  drawing of 102 lines, arcs and shapes, not listed
  text "rev. 100 | dec 05 24" at 137.896,63.162 h0.75 r90
  text "ApolloEcho_Dev_Kit" at 128.831,56.94 h0.75 r270
  text "Github" at 134.405,55.659 h0.75
Mechanical 1:
  lines w0.025: 75,76.02 ccw(c76.27,76.02) 76.27,74.75 105.075,74.75 123.73,74.75 ccw(c123.73,76.02) 125,76.02 125,172.73 ccw(c123.73,172.73) 123.73,174 76.27,174 ccw(c76.27,172.73) 75,172.73 75,76.02

## Text inside footprints (layer, text, board x,y; h text height)
J6: Mechanical 1 "PCB EDGE" at 74.9,121.9 h0.3 r270
U2: Top Assembly "P45" at 85.409,157.9 h1.5 r90; Top Assembly "P1" at 84.825,150.6 h1.5
U3: Bottom Overlay "*" at 102.113,97.304 h1.27 r90; Bottom 3D Body "*" at 103.205,96.407 h1.27 r90
U4: Bottom Overlay "*" at 95.747,137.193 h1.27 r180; Bottom 3D Body "*" at 96.644,138.285 h1.27 r180
U5: Bottom Overlay "*" at 95.747,134.193 h1.27 r180; Bottom 3D Body "*" at 96.644,135.285 h1.27 r180
U6: Bottom Overlay "*" at 95.747,131.193 h1.27 r180; Bottom 3D Body "*" at 96.644,132.285 h1.27 r180